# Altium PCB Copy of GameBoard_V1I1_083018.PcbDoc (part 1 of 21) (continued)
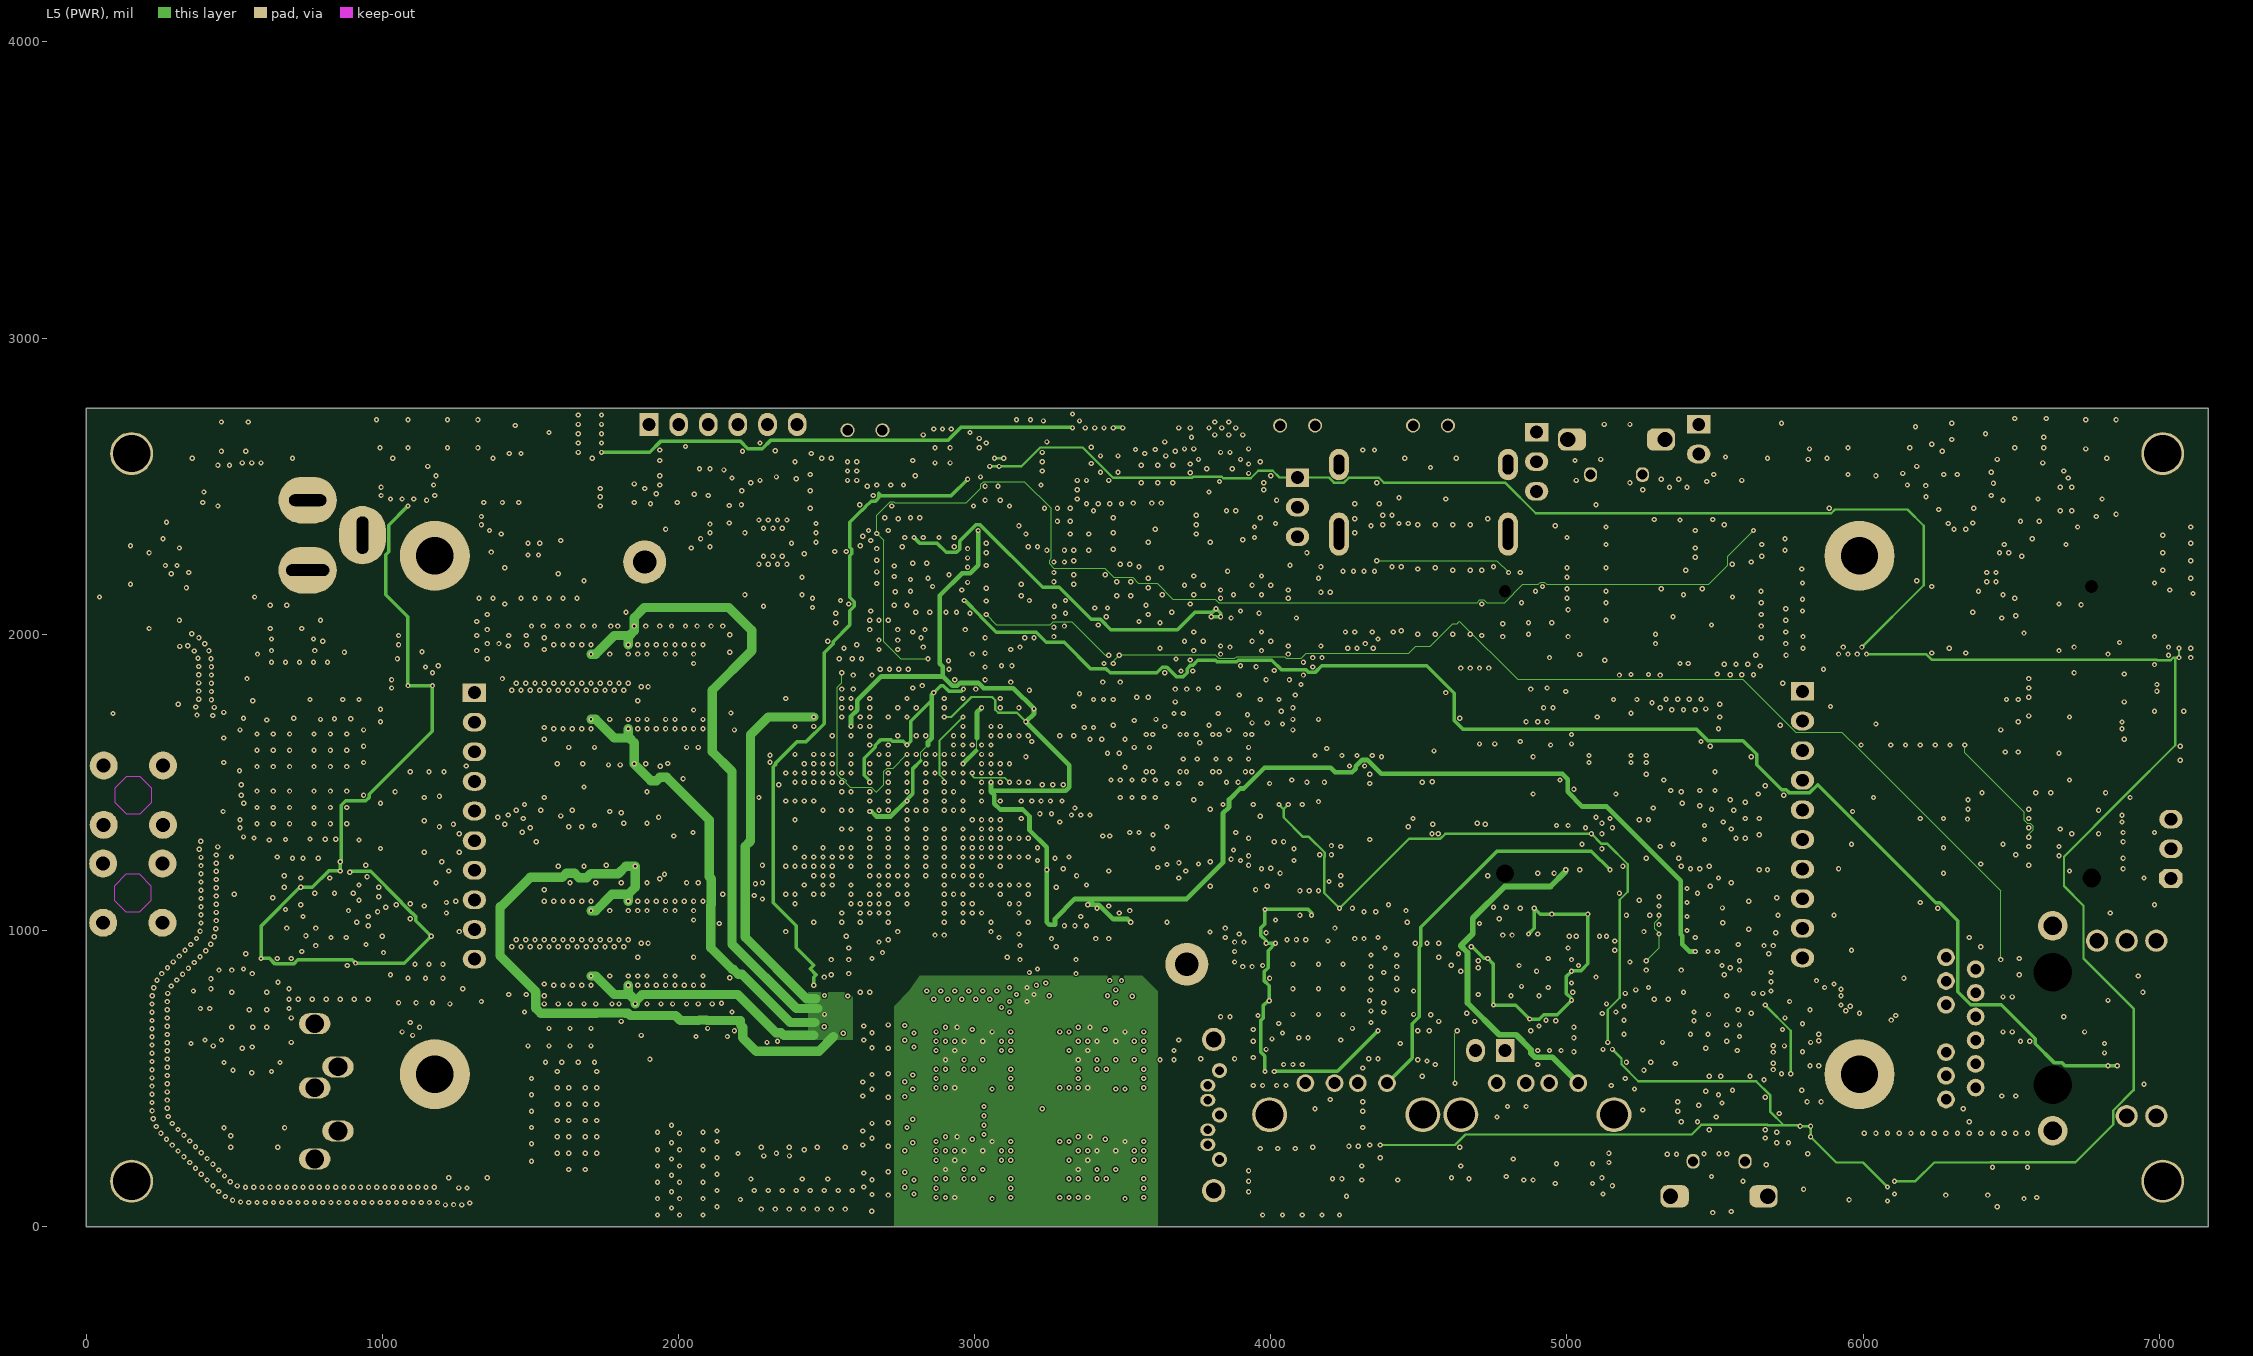
[diagram p5: L5 (PWR)]
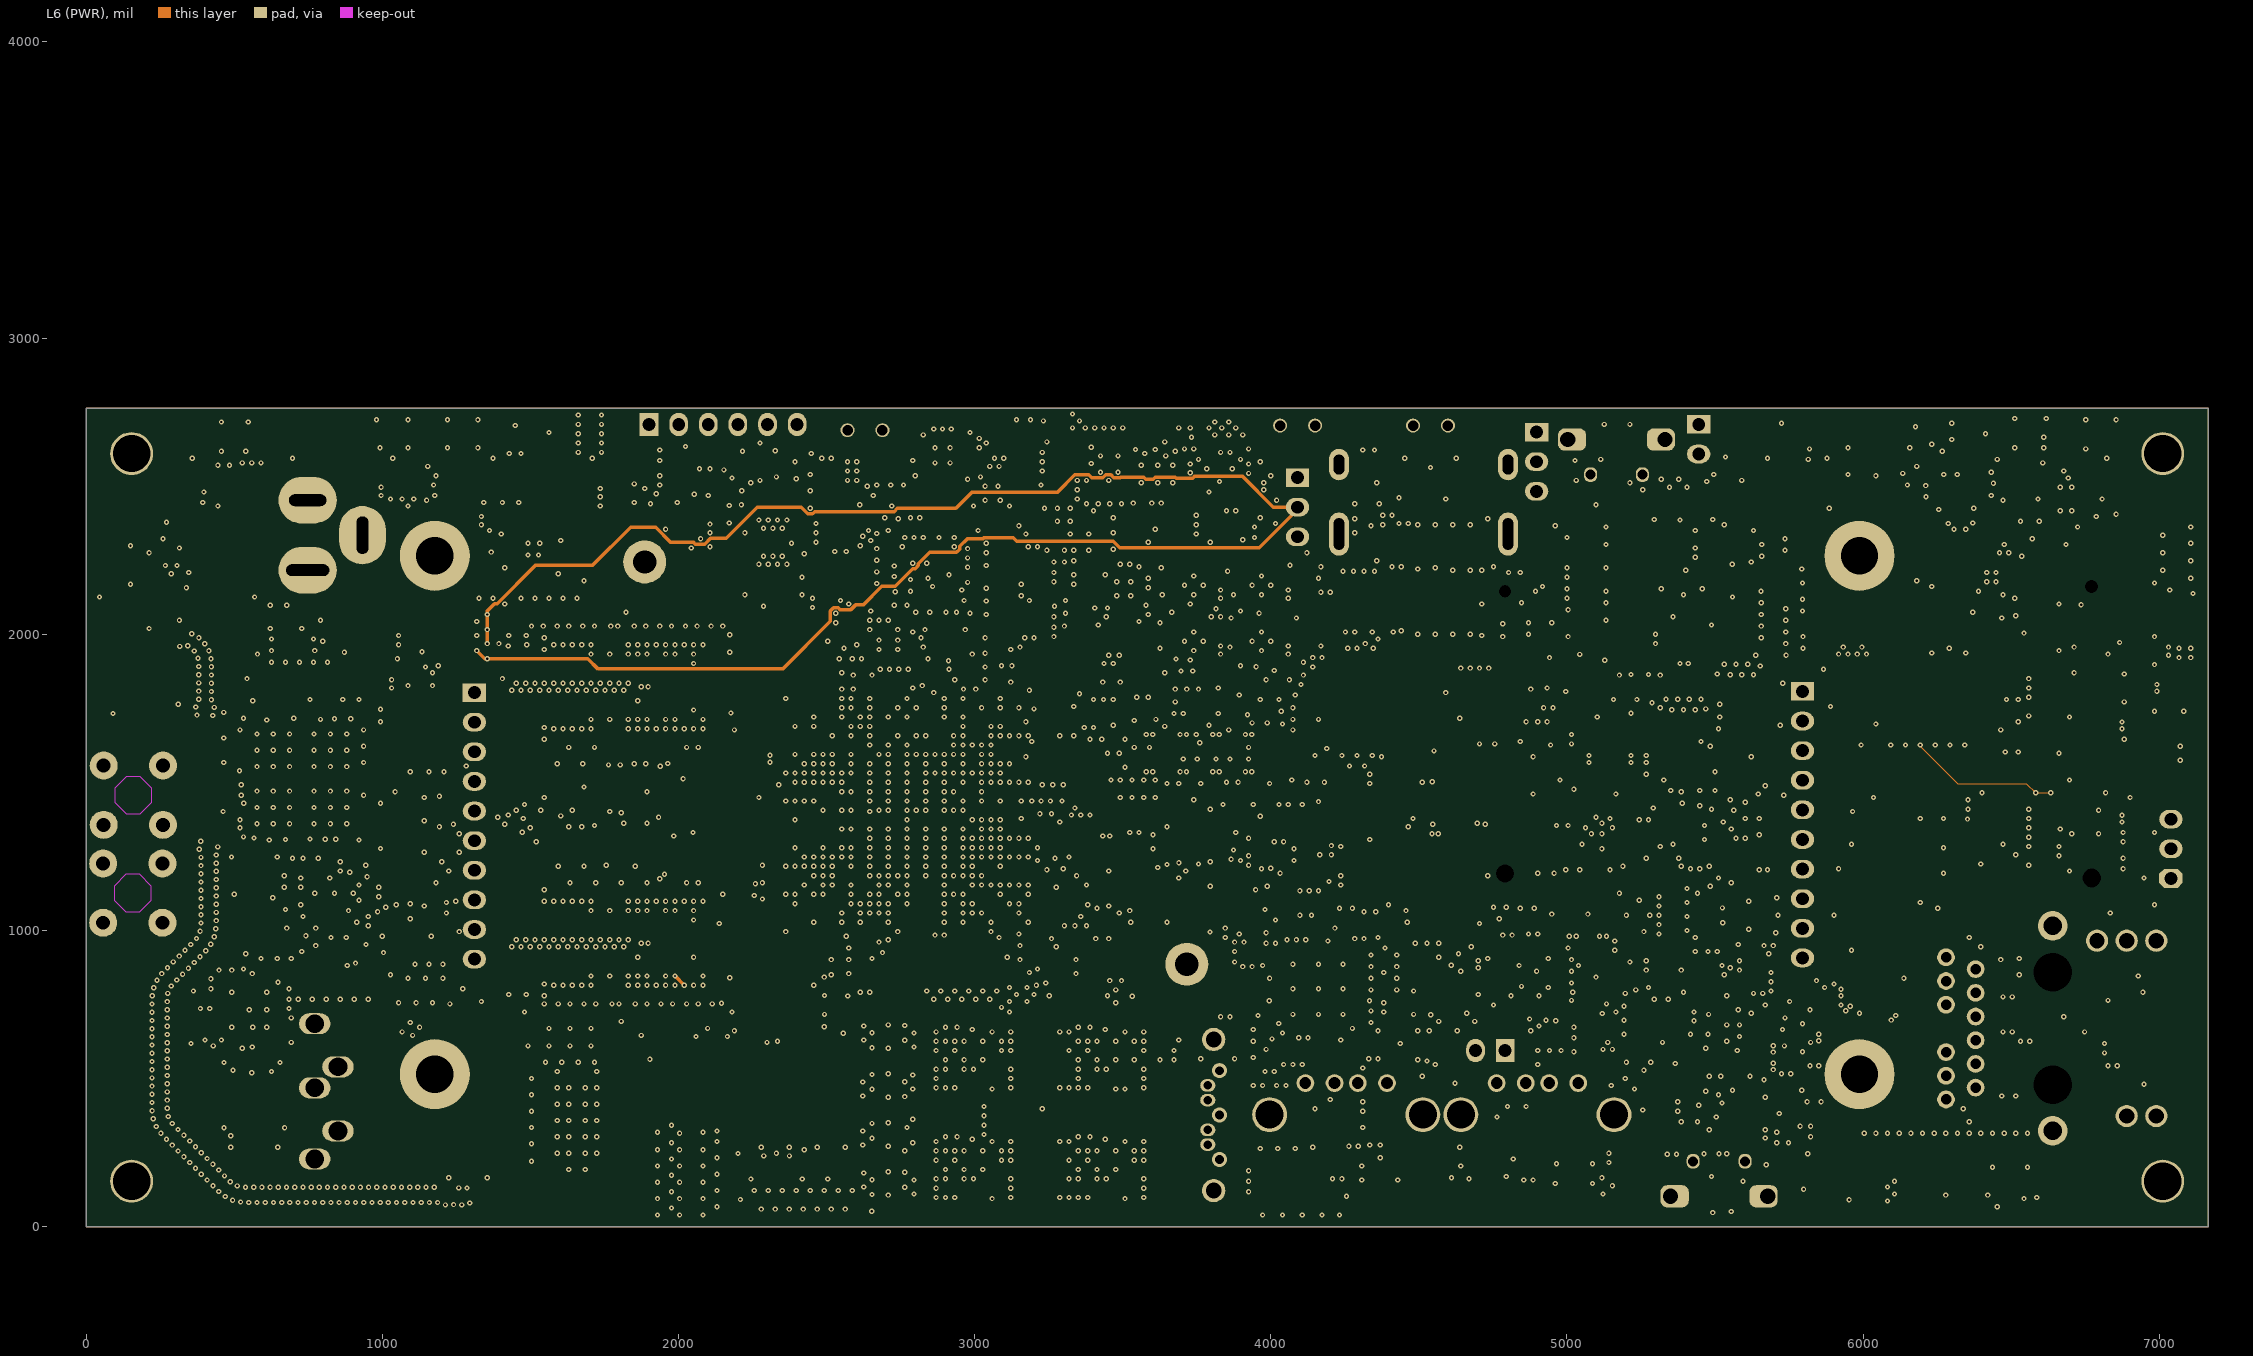
[diagram p6: L6 (PWR)]
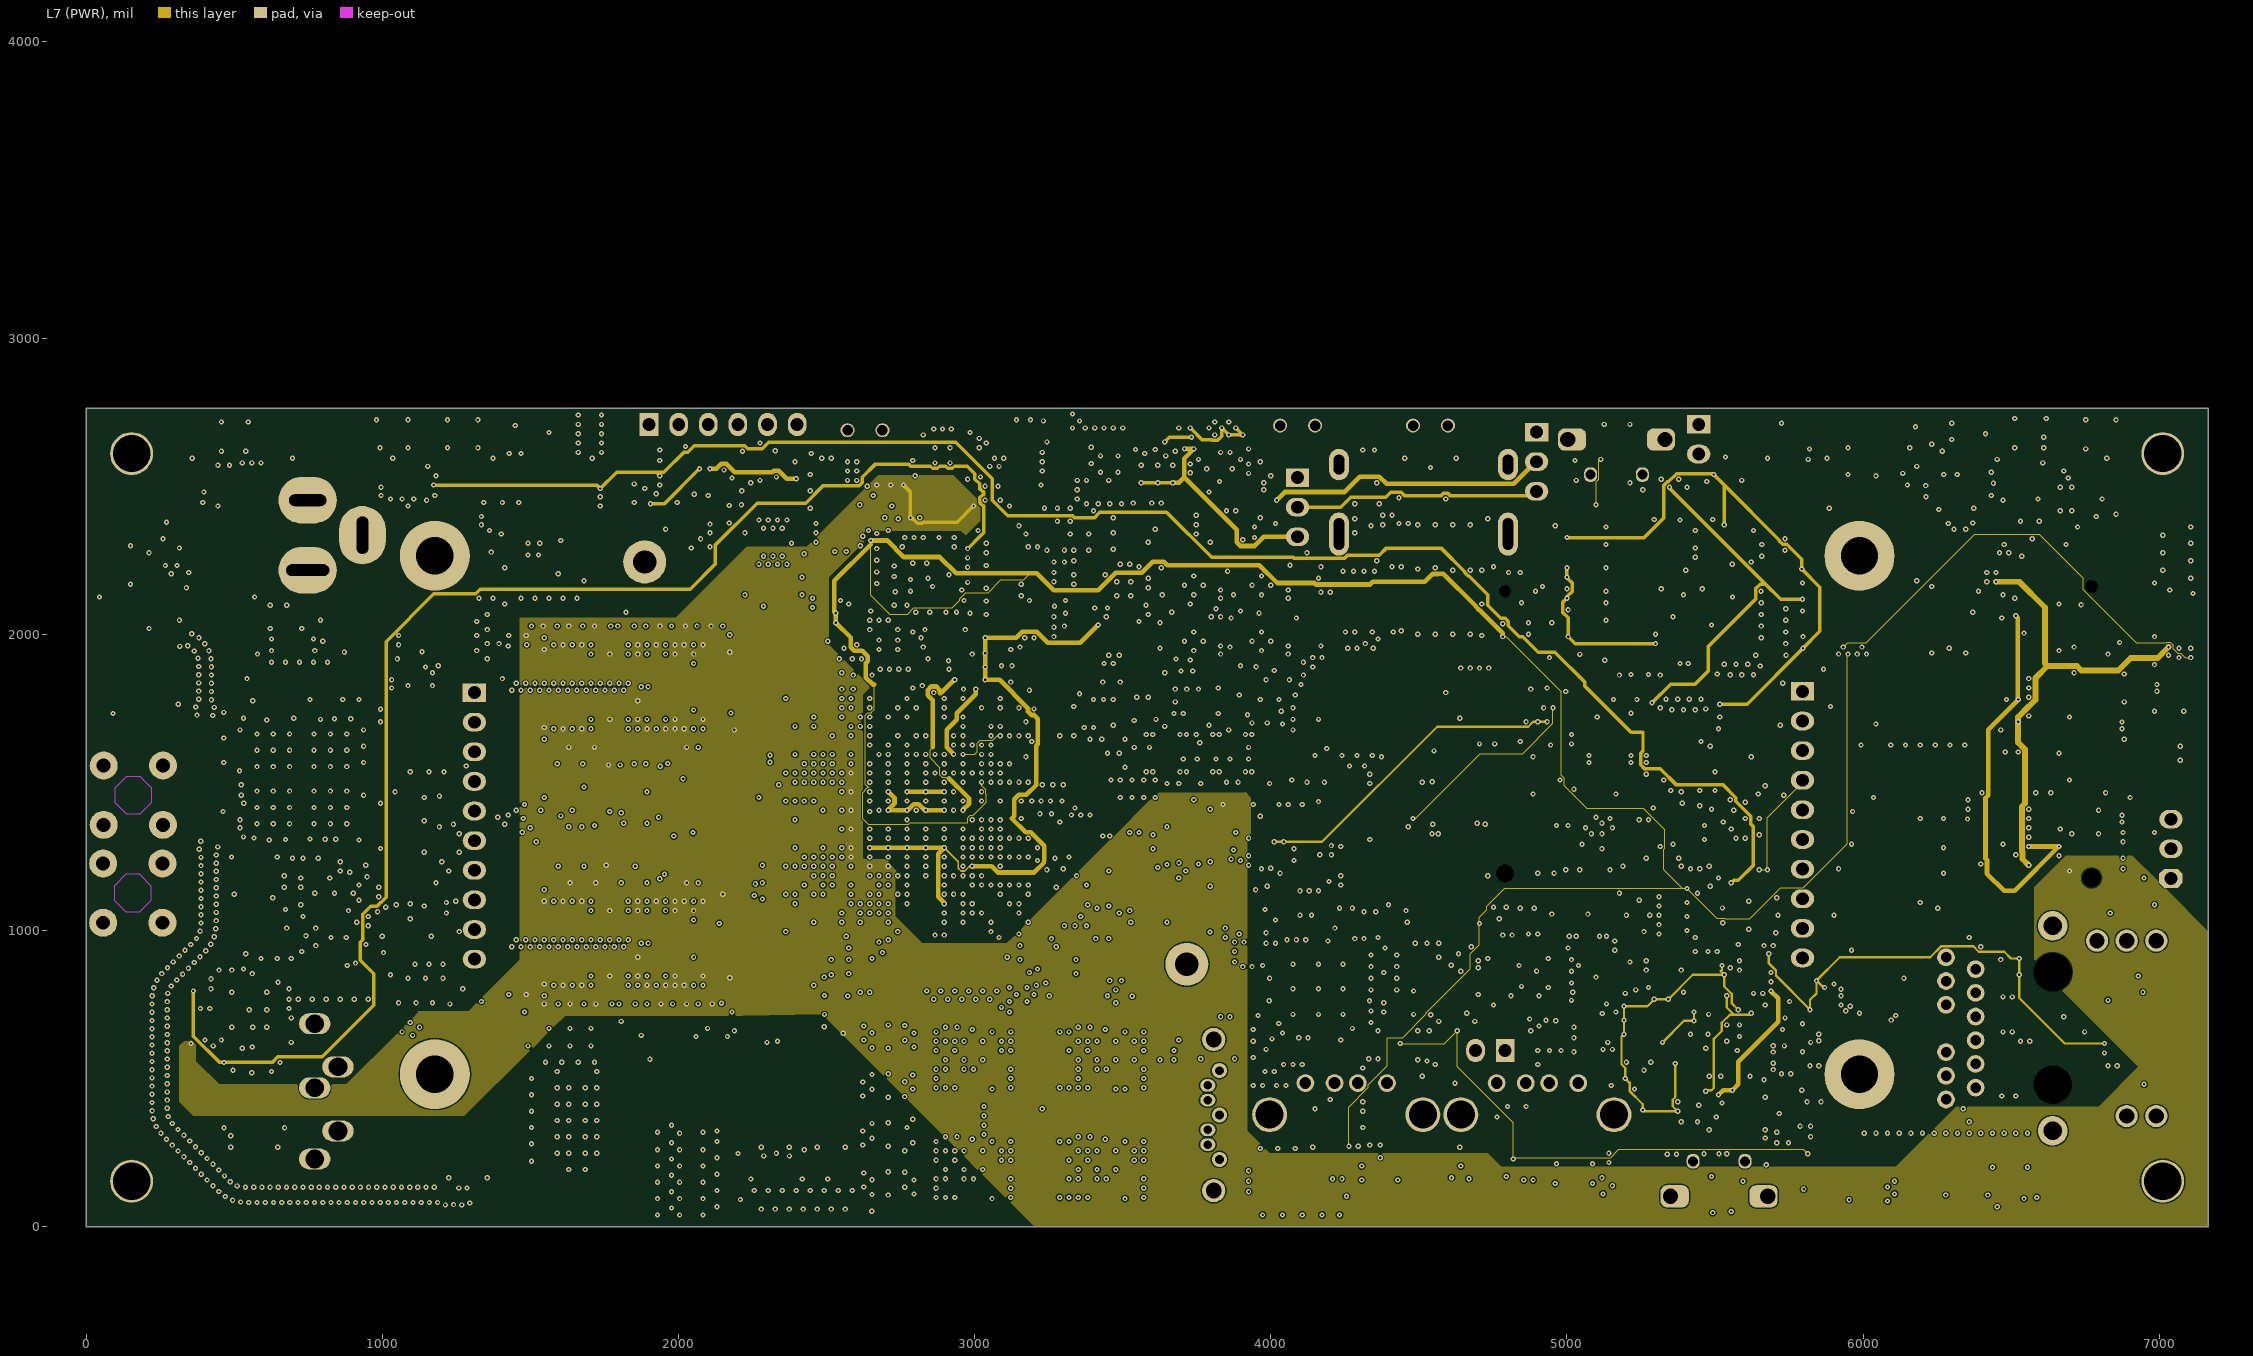
[diagram p7: L7 (PWR)]
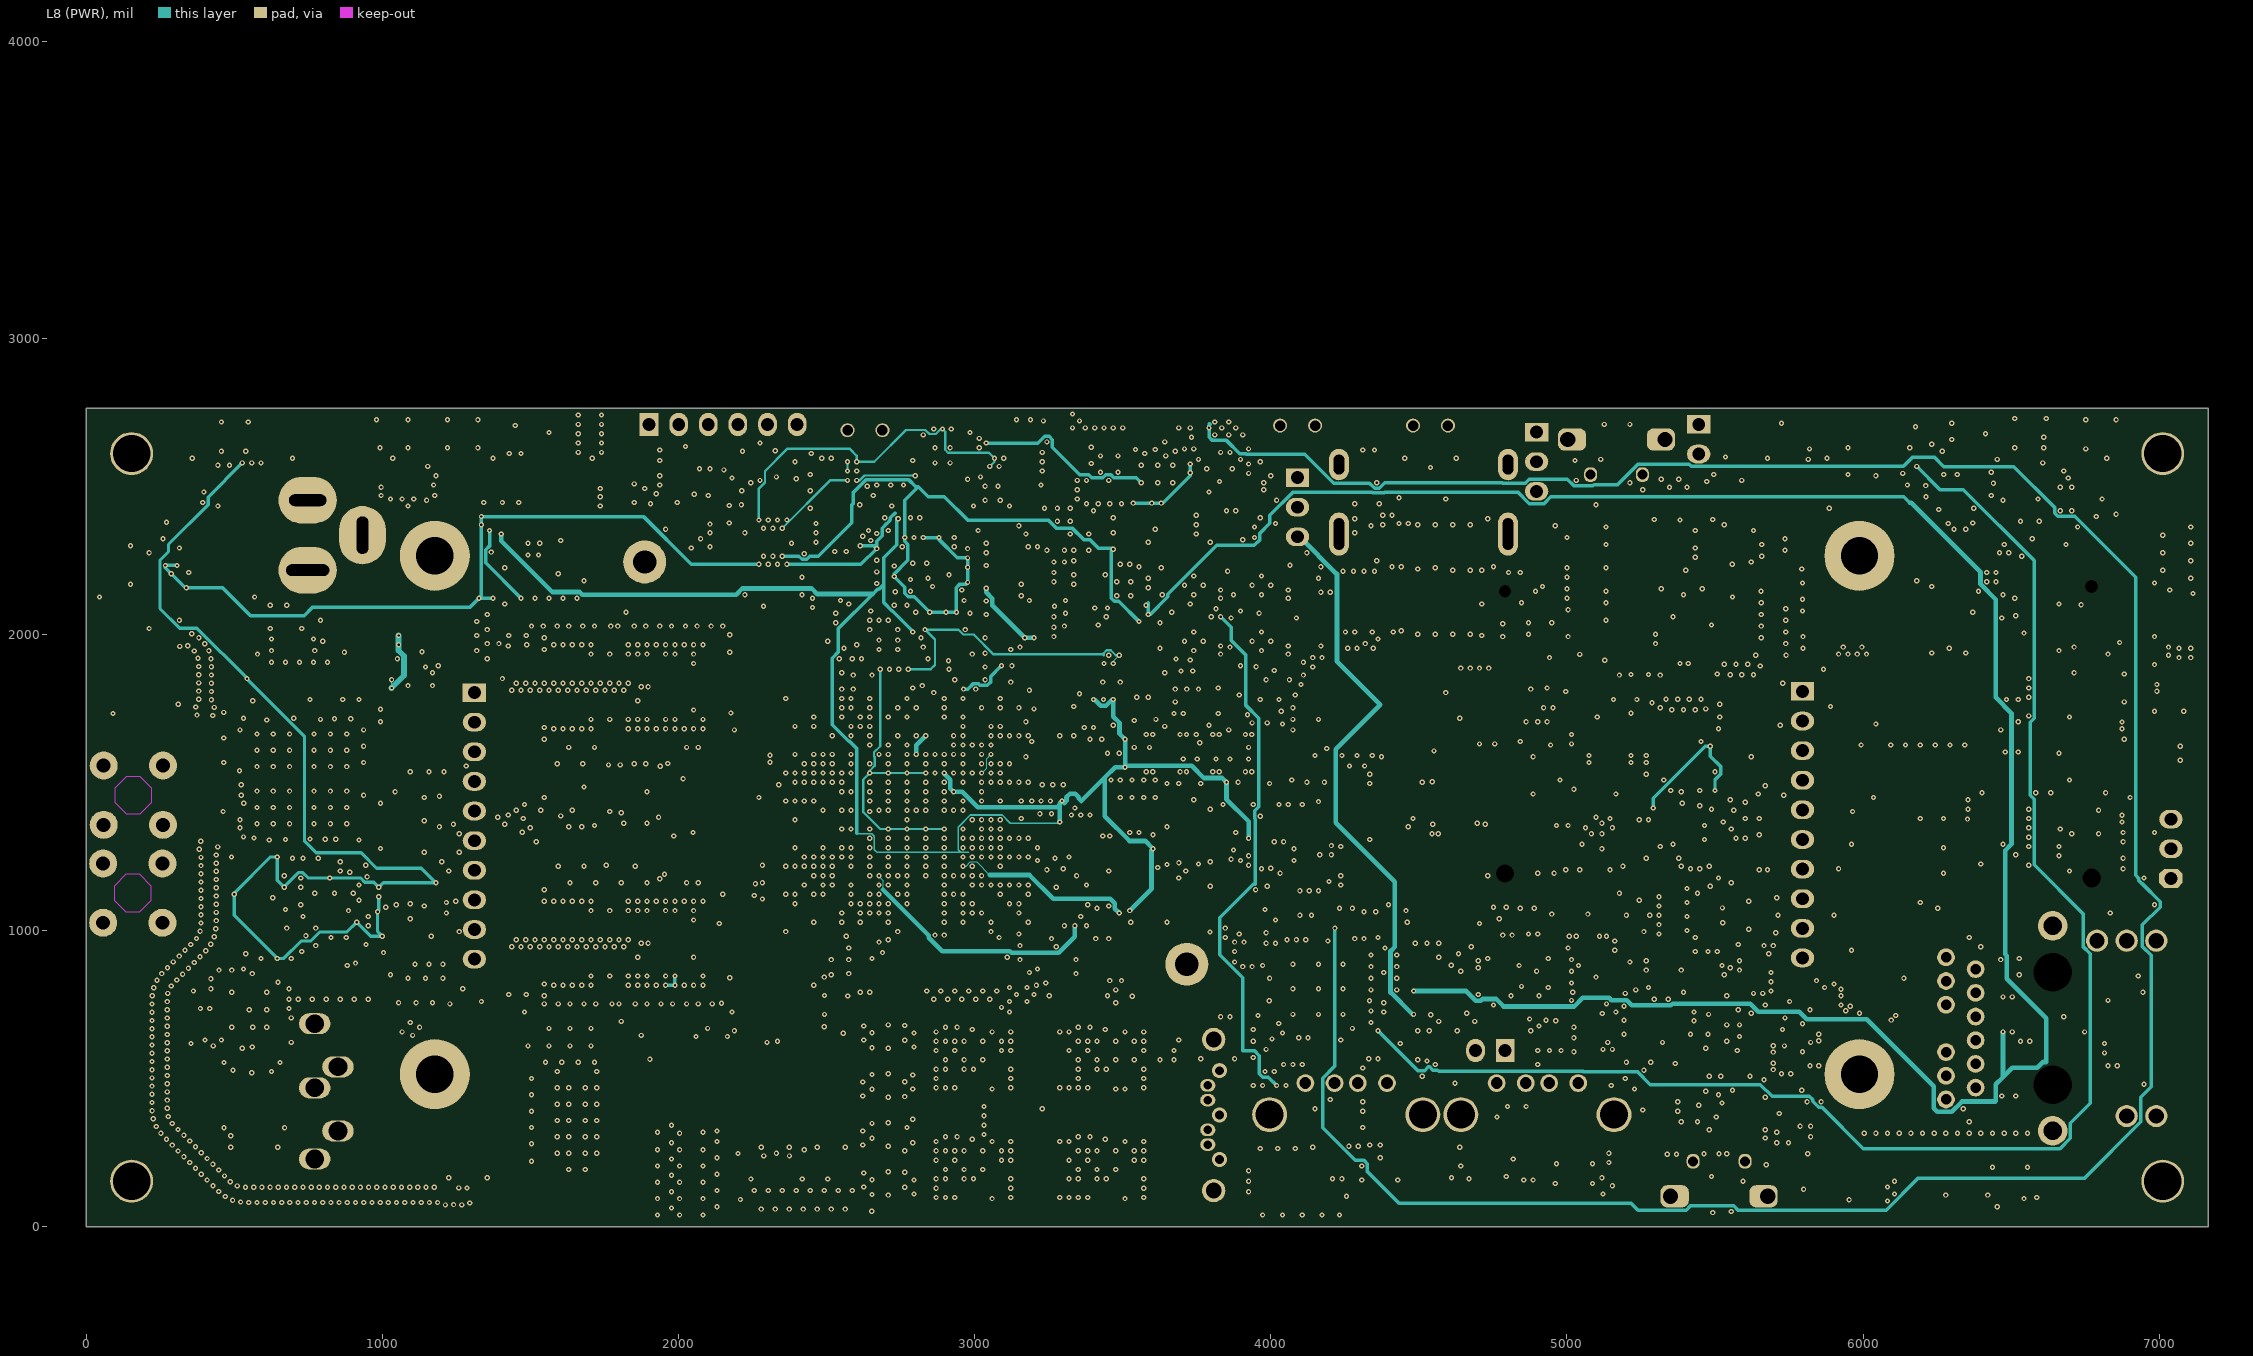
[diagram p8: L8 (PWR)]
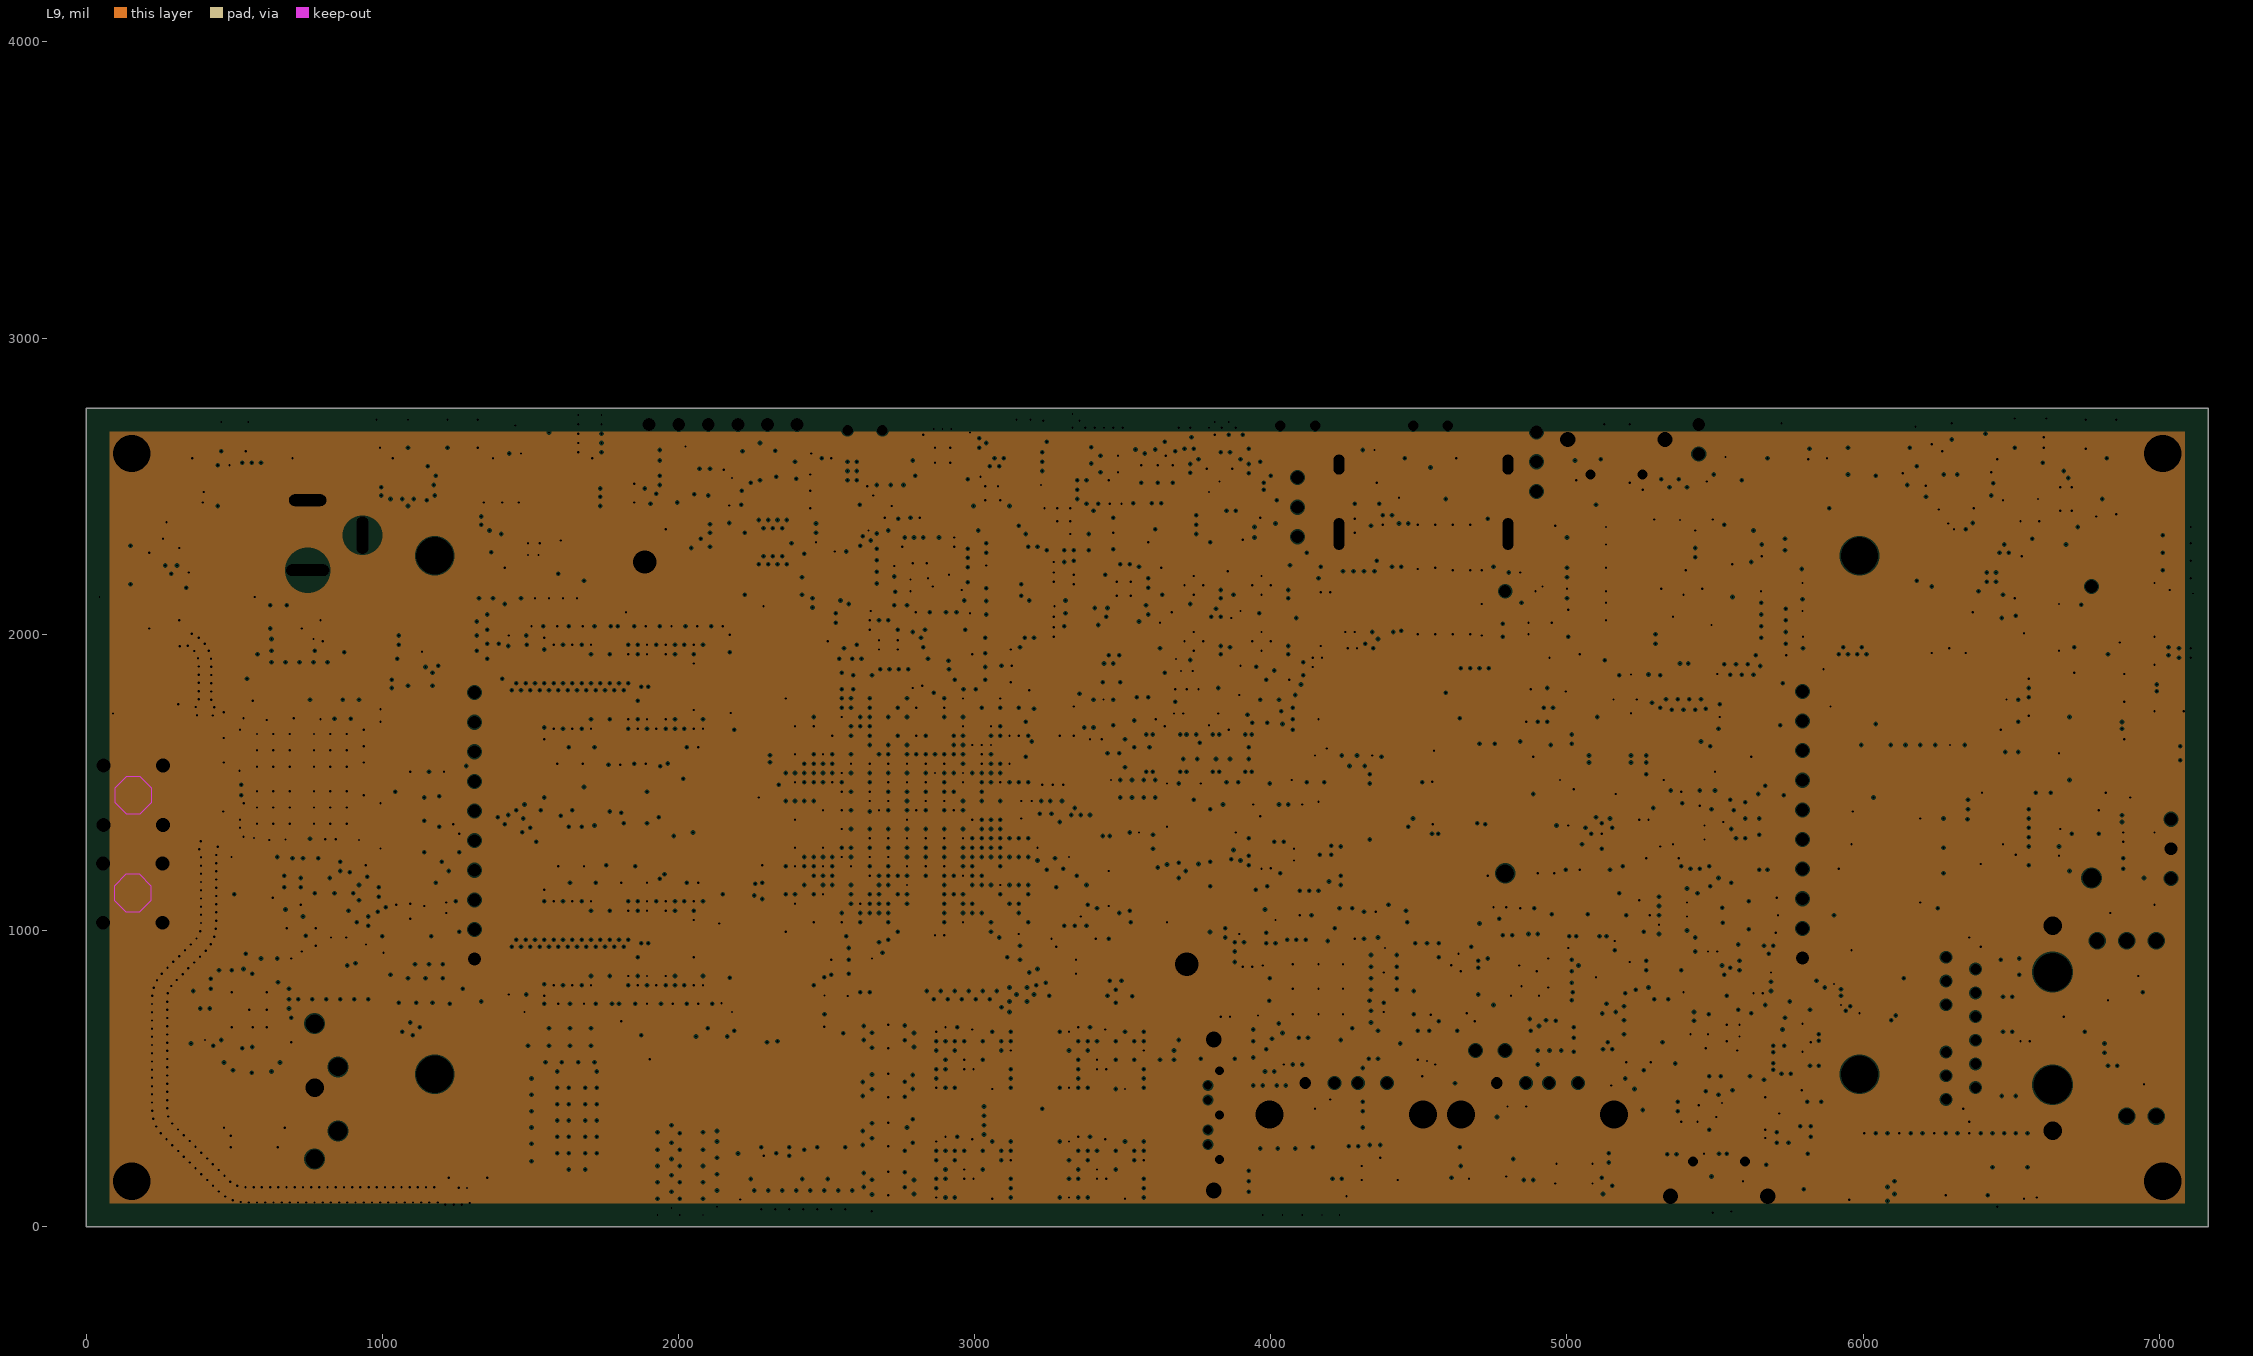
[diagram p9: L9, clearances drawn from the general rule]